# Allegro board BeagleBone_Green_Wireless_V1.0.brd (continued)
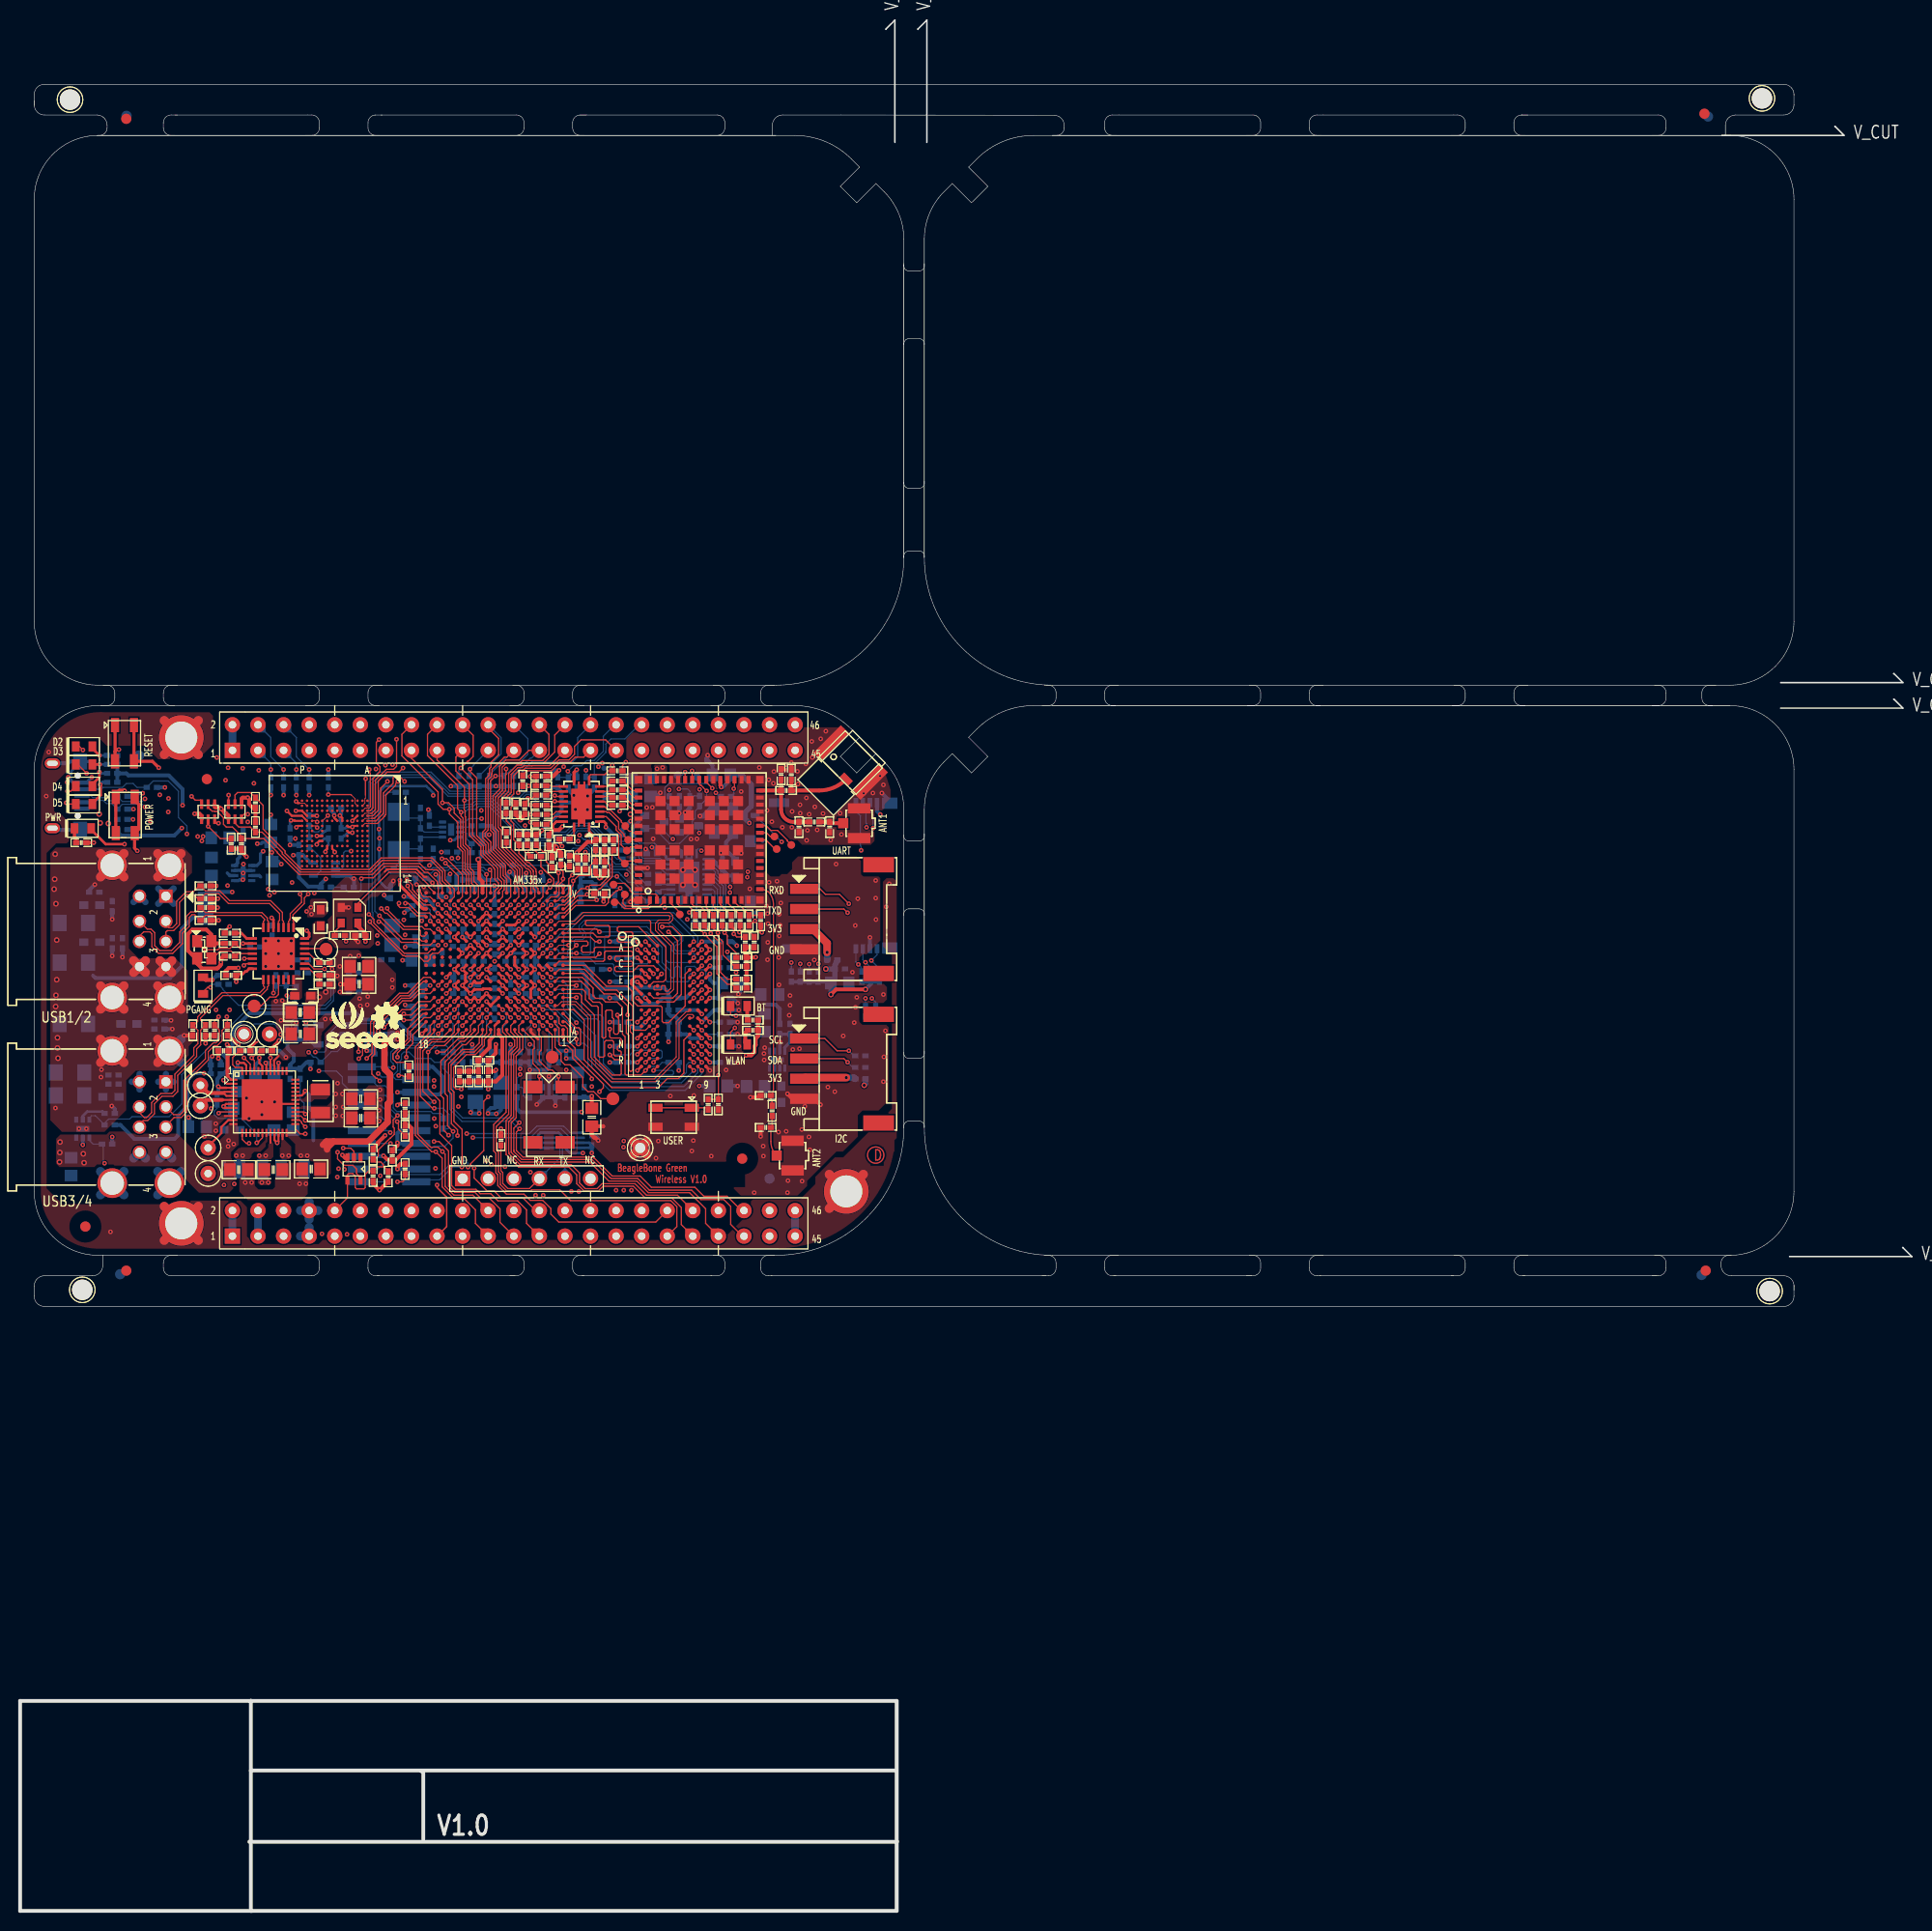
[diagram p0: board, top side]
## Routing (per net, layer and track width the routed paths; a pad name or vN(x,y) marks a point on that pad's centre or on a via; arc(x,y) is an arc through that point) (continued)
UART1_TXD: length 25
  TOP w0.121: v1(42.32,89.54) U5.D15
  LYR4 w0.121: v1(42.32,89.54) 42.72,89.14 42.72,88.49
  LYR4 w0.133: 42.72,88.49 42.73,88.48 42.73,86.53 43.14,86.13 43.14,84.55 43.41,84.28 43.41,80.59 44.02,79.98 44.02,79.13 44.46,78.68 44.86,78.68 46.1,77.45 46.1,76.67 46.07,76.64 46.07,76.36 45.64,75.93 45.64,73.63 45.19,73.18 45.19,72.16 46.82,70.53 47.11,70.53 48.07,69.57 P9.24
UART2_RXD: length 94.4
  TOP w0.121: U5.A17 41.12,87.32 39.49,85.69 39.49,77.15 40.77,75.87 41.5,75.87 v1(41.94,75.44) 42.2,75.17 42.2,71.98 43.09,71.09 44.96,71.09 P9.22 ; J5.1 79.44,101.53 79.97,100.99 81.36,100.99 v1(82.3,100.05)
  LYR3 w0.133: v1(82.3,100.05) 82.68,100.05 85.47,97.26 85.47,91.92 84.58,91.03 v1(84.58,90.65) 84.73,90.5 84.73,85.55 83.29,84.1 83.29,81.86 80.06,78.64 77.2,78.64 77.19,78.63 70.83,78.63 69.8,77.6 57.19,77.6 55.06,75.47 49.73,75.47 49.73,75.48 47.75,75.48 47.06,76.16 42.92,76.16 42.88,76.12 42.62,76.12 v1(41.94,75.44)
  BOTTOM w0.121: C204.1 84.96,90.27 v1(84.58,90.65)
UART2_TXD: length 96.4
  TOP w0.121: v1(82.17,99.16) 81.8,99.53 J5.2 ; P9.21 45.21,68.3 45.21,69.64 44.14,70.71 43.12,70.71 41.91,71.92 41.91,74.78 v1(41.27,75.41) 40.87,75.41 39.24,77.04 39.24,85.83 40.72,87.3 40.72,87.94 U5.B17
  LYR3 w0.133: v1(41.27,75.41) 42.24,76.38 42.81,76.38 42.83,76.4 47.16,76.4 47.85,75.71 49.83,75.71 49.83,75.71 54.97,75.71 57.09,77.83 69.7,77.83 70.76,78.89 79.93,78.89 82.98,81.94 82.98,84.25 84.32,85.59 84.32,90.28 v1(83.95,90.65) 83.95,90.78 85.22,92.05 85.22,97.13 83.44,98.91 82.42,98.91 v1(82.17,99.16)
  BOTTOM w0.121: v1(83.95,90.65) C205.1
UART3_CTSN: length 32.1
  TOP w0.121: R200.1 R210.1 51.21,112.7 v1(50.65,112.7) ; U5.M17 40.72,95.94 39.67,95.94 39.4,96.22 37.85,96.22 35.79,98.27 v1(35.61,98.27)
  LYR4 w0.121: 45.45,107.88 45.76,107.88 46.22,108.34 46.22,108.65 50.27,112.7 v1(50.65,112.7)
  LYR4 w0.133: 45.45,107.88 42.88,107.88 38.26,103.25 37.09,103.25 37.09,103.25 37.01,103.25 34.9,101.14 34.9,99.3 35.04,99.16 35.04,98.93 35.34,98.63 35.34,98.54 v1(35.61,98.27)
UART3_RTSN: length 37.4
  TOP w0.121: R209.1 50.11,110 50.42,110.31 v1(50.42,110.52) 50.85,110.52 51.17,110.85 R199.1 ; U5.M18 39.88,96.34 39.67,96.55 38,96.55 v1(35.69,98.86)
  BOTTOM w0.121: v1(35.69,98.86) 35.23,99.31 35.23,111.94 35.9,112.6 40.62,112.6 42.49,110.73 48.14,110.73 48.79,110.08 50.27,110.08 50.42,110.23 v1(50.42,110.52)
UART3_RXD: length 43
  TOP w0.121: U5.L17 40.88,95.54 40.48,95.14 38.14,95.14 35.73,97.55 35.72,97.55 35.13,98.14 35.13,98.5 v1(34.63,99) ; U21.14 53.2,110.71 53.1,110.81 v1(53.09,110.81)
  BOTTOM w0.121: v1(34.63,99) 34.63,112.15 35.61,113.13 40.79,113.13 42.69,111.23 48.41,111.23 49,110.64 49.62,110.64 50.15,111.17 50.69,111.17 51.26,110.59 52.25,110.59 52.46,110.81 v1(53.09,110.81)
UART3_TXD: length 44.4
  TOP w0.121: U21.15 53.29,110.21 53.26,110.24 v1(53.09,110.24) ; v1(34.73,98.28) 34.73,98.19 35.62,97.3 35.62,97.3 38.03,94.89 38.18,94.89 38.23,94.84 39.6,94.84 40.1,94.34 40.48,94.34 40.72,94.58 40.72,94.9 40.95,95.13 41.51,95.13 U5.L16
  BOTTOM w0.121: v1(53.09,110.24) 51.27,110.24 50.58,110.92 50.25,110.92 49.66,110.33 48.95,110.33 48.3,110.98 42.59,110.98 40.72,112.85 35.74,112.85 34.95,112.06 34.95,99.24 35.03,99.16 35.03,98.58 v1(34.73,98.28)
UART4_RXD: length 42.1
  TOP w0.121: U5.T17 40.72,99.94 40.1,99.94 38.91,101.12 38.91,101.17 38.61,101.47 38.61,101.7 v1(38.48,101.83)
  LYR4 w0.133: v1(38.48,101.83) 38.75,101.56 38.75,100.04 38.66,99.95 38.66,99.93 38.42,99.7 38.41,99.7 38.38,99.67 38.05,99.67 37.67,99.29 37.67,94.72 36.22,93.27 36.22,88.8 35.48,88.06 35.48,87.48 36.02,86.94 36.02,83.63 36.2,83.45 36.2,83.34 36.37,83.17 36.37,83.16 36.47,83.06 36.47,78.66 34.29,76.48 34.29,70.41 34.74,69.97 34.74,69.17 34.49,68.93 34.49,67.74 P9.11
UART4_TXD: length 39.8
  TOP w0.121: v1(39.6,101.35) 39.86,101.09 39.86,100.96 40.08,100.74 40.71,100.74 U5.U17
  LYR4 w0.127: 36.84,83.41 36.66,83.58 36.66,83.64 36.59,83.71 36.59,87.57 36.73,87.71 36.73,88.95
  LYR4 w0.133: 36.73,88.95 36.73,90.88 37.44,91.59 37.44,92.56 39.02,94.14 39.02,97.6 38.77,97.86 38.77,98.91 39.18,99.32 39.18,99.81 39.22,99.85 39.22,99.9 39.6,100.28 v1(39.6,101.35) ; 36.84,83.41 37.01,83.24 37.01,78.41 36.47,77.88 36.47,77.84 35.84,77.21 35.84,76.6 36.49,75.95 36.49,73.12 35.1,71.72 35.1,69.11 35.53,68.67 35.53,67.82 P9.13
USB0_DM: length 42.4
  TOP w0.114: U5.N18 40.32,96.98 40.16,96.82 39.88,96.82 39.75,96.95 39.75,97.38 39.62,97.51 38.03,97.51 36.42,99.11 36.25,99.11 36.05,99.31 36.05,99.48 35.97,99.57 v1(35.86,99.57)
  LYR3 w0.127: v1(35.86,99.57) 36.04,99.75 36.04,100 35.56,100.48 29.92,100.48 29.62,100.18 27.46,100.18 22.88,104.75 22.88,104.89 22.65,105.13 17.23,105.13 13.54,108.81 13.54,109.65 13.27,109.92 12.65,109.92 v1(12.4,109.67)
  BOTTOM w0.114: P4.2 7.04,110.13 7.22,110.32 8.26,110.32 8.57,110.01 9.09,110.01 9.65,109.45 10.13,109.93 12.13,109.93 v1(12.4,109.67)
USB0_DP: length 42.4
  TOP w0.114: v1(36.45,99.59) 36.45,99.48 38.15,97.78 39.91,97.78 40.16,97.53 40.72,97.53 U5.N17
  LYR3 w0.127: v1(12.4,110.47) 12.65,110.22 13.4,110.22 13.84,109.78 13.84,108.94 17.35,105.43 22.77,105.43 23.19,105.02 23.19,104.88 27.58,100.48 29.49,100.48 29.79,100.79 35.69,100.79 36.35,100.13 36.35,99.7 v1(36.45,99.59)
  BOTTOM w0.114: P4.3 7.04,110.78 7.22,110.6 8.38,110.6 8.69,110.29 9.22,110.29 9.65,110.72 10.16,110.21 12.13,110.21 v1(12.4,110.47)
USB0_ID: length 46.2
  TOP w0.121: U5.P16 v1(41.52,98.34)
  LYR3 w0.133: v1(41.52,98.34) 41.89,98.71 41.89,100.15 40.82,101.22 40.82,101.63 39.22,103.23 35.79,103.23 35.56,103.46 25.37,103.46 23.97,104.86 23.96,104.86 23.73,105.1 23.73,105.1 22.99,105.84 17.7,105.84 17.16,106.38 17.15,106.38 16.92,106.62 16.92,106.63 v1(16.56,106.98)
  BOTTOM w0.121: v1(16.56,106.98) 16.56,107.78 15.72,108.62 15.72,111.23 14.71,112.24 13.21,112.24 D23.2 11.61,111.61 11.23,111.99 10.54,111.99 10.16,111.61 8.24,111.61 8.06,111.43 P4.4
USB1_DM: length 19.6
  TOP w0.114: U23.1 27.15,98.3 27.1,98.35 27.1,98.96 28.22,100.08 28.22,100.63 v1(28.61,101.02) ; U5.R18 40.2,98.86 39.38,98.86 38.57,99.67 37.73,99.67 37.54,99.86 37.54,100.02 v1(37.62,100.1)
  LYR3 w0.127: v1(28.61,101.02) 28.51,101.12 28.3,101.12 28.13,101.28 28.13,101.61 28.27,101.75 28.57,101.75 28.57,101.75 36.53,101.75 37.36,100.91 37.36,100.56 37.08,100.28 37.08,100.08 37.19,99.97 37.49,99.97 v1(37.62,100.1)
USB1_DP: length 19.7
  TOP w0.114: U23.2 26.65,98.3 26.76,98.41 26.76,98.52 26.82,98.58 26.82,99.07 27.94,100.19 27.94,100.74 27.8,100.88 v1(27.8,101.02) ; v1(38.25,100.1) 38.53,100.1 39.5,99.14 40.64,99.14 41.04,98.74 U5.R17
  LYR3 w0.127: v1(27.8,101.02) 27.8,101.72 28.14,102.06 28.7,102.06 36.65,102.06 37.67,101.04 37.67,100.63 37.92,100.38 38.07,100.23 38.13,100.23 v1(38.25,100.1)
USB1_DRVVBUS: length 59.3
  TOP w0.121: U5.F15 v1(42.32,91.14)
  LYR3 w0.127: v1(41.25,73.76) 40.86,73.76 40.67,73.95
  LYR3 w0.133: v1(8.38,74.27) 8.77,74.27 8.78,74.26 11.46,74.26 11.52,74.27 11.57,74.29 11.61,74.32 12.1,74.32 12.11,74.31 12.16,74.28 12.22,74.27 12.26,74.26 13.37,74.26 13.39,74.28 14.05,74.28 14.1,74.29 14.16,74.31 14.17,74.32 14.78,74.32 14.83,74.3 14.88,74.28 14.92,74.28 15.93,74.28 15.97,74.32 23.49,74.32 23.68,74.14 32.74,74.14 32.92,74.32 35.54,74.32 35.72,74.14 36.45,74.14 36.45,74.14 40.49,74.14 40.67,73.95
  LYR4 w0.121: 40.33,89.77 41.69,91.14 v1(42.32,91.14)
  LYR4 w0.127: v1(41.25,73.76) 41.83,73.76
  LYR4 w0.133: 40.33,89.77 40.33,86.44 40.11,86.22 40.11,84.28 41.53,82.85 41.53,79.5 43.97,77.06 43.97,75.9 41.83,73.76
  BOTTOM w0.121: v1(8.38,74.27) 8.25,74.4 8.25,75.92 8.13,76.05 R221.2 7.24,76.17 6.87,76.54 U24.4
USB1_ID: length 2.6
  TOP w0.121: U5.P17 40.77,98.29 v1(40.72,98.34)
  BOTTOM w0.121: v1(40.72,98.34) 40.72,99.42 40.26,99.87 R49.2
USB1_OCN: length 50.9
  TOP w0.121: v1(41.48,99.98) 41.5,99.96 41.5,99.95 U5.T16 ; v1(30.99,93.57) 30.73,93.83 R224.2
  LYR3 w0.133: v1(30.99,93.57) 30.99,95.86 32.69,97.56 35.79,97.56 37.85,99.62 38.68,99.62 39.05,99.98 v1(41.48,99.98)
  BOTTOM w0.121: v1(30.99,93.57) 30.99,92.81 31.11,92.68 31.11,90.42 30.3,89.61 22.58,89.61 16.05,83.08 16.05,80.16 14.78,78.89 11.1,78.89 10.87,78.66 8.79,78.66 8.38,78.26 R223.1 7.47,78.99 7.09,78.99 6.87,78.78 U24.3
USB1_VBUS: length 25.3
  TOP w0.305: v1(37.71,102.4) 37.71,102.33 37.71,102.32 37.71,101.89 38.57,101.03 38.57,100.98 39.96,99.6 40,99.6 40.06,99.54 U5.T18
  LYR3 w0.381: v1(37.71,102.4) 37.59,102.52 37.59,102.53 37.28,102.84 37.27,102.84 37.24,102.87 35.56,102.87 35.33,103.1 27.94,103.1 v1(27,102.16)
  LYR4 w0.381: v1(27,102.16) 24.26,102.16 22.76,100.66 21.44,100.66 21.06,101.04 v1(21.06,101.22)
  BOTTOM w0.381: FB8.1 18.58,100.54 19.25,101.22 v1(21.06,101.22)
USB_DC: length 35.5
  LYR3 w0.381: v1(16.05,107.57) 17.63,107.57 17.93,107.26 18.4,107.26 18.45,107.21 23.73,107.21 27.03,103.91 35.79,103.91 36.07,103.63 39.42,103.63 40.08,102.97 v1(41.27,102.97)
  BOTTOM w0.381: 9.65,107.42 9.65,107.21 10.03,106.83 15.32,106.83 v1(16.05,107.57) ; R159.1 41.61,102.67 41.3,102.97 v1(41.27,102.97)
  vias: v1(20.7,76.53) v1(20.65,75.95) v1(21.21,76.17) v2(3.94,75.34) v2(3.91,74.4) v2(3.96,76.38) v2(6.27,75.21) v2(6.35,74.32) v2(7.85,108.97) v2(7.95,108.08) v2(8.76,108.03)
USR0: length 26.4
  TOP w0.121: U5.V15 42.72,101.53 41.93,102.32 41.93,103.23 40.81,104.35 35.95,104.35 34.85,103.25 34.84,103.25 34.8,103.21 27.83,103.21 26.04,105 26.04,105.16 24.03,107.16 R76.1 22.86,107.67 21.72,107.67 21.34,108.05 Q1.2
USR1: length 31.1
  TOP w0.121: Q1.5 21.34,110.85 21.59,111.1 22.86,111.1 R77.1 24.13,109.83 24.13,107.47 26.31,105.28 26.31,105.08 27.94,103.45 34.7,103.45 35.51,104.27 35.51,104.27 35.84,104.6 40.7,104.6 40.91,104.6 42.19,103.32 42.19,102.44 43.11,101.51 43.11,100.73 U5.U15
USR2: length 32.9
  TOP w0.121: R78.1 19.88,106.53 v1(18.67,107.74) Q2.2 ; v1(42.3,99.94) 42.31,99.94 U5.T15
  LYR3 w0.133: v1(42.3,99.94) 42.3,100.1 41.81,100.6 41.81,103.05 41.43,103.43 40.26,103.43 39.37,104.32 32.99,104.32 30.12,107.19 29.64,107.19 29.61,107.21 29.32,107.21 29.08,107.45 29.08,107.51 28.95,107.65 27.97,107.65 27.84,107.78 27.84,107.81 27.6,108.05 27.26,108.05 27.03,107.81 27.03,107.78 26.89,107.65 19.06,107.65 18.96,107.74 v1(18.67,107.74)
USR3: length 29.6
  TOP w0.121: Q2.5 18.67,109.62 18.91,109.38 18.94,109.38 19.07,109.25 19.3,109.25 19.33,109.22 19.55,109.22 20.19,108.59 20.19,107.95 20.47,107.67 21.08,107.67 21.97,106.78 R79.1 24.19,106.53 25.55,105.16 25.55,105.11 27.7,102.96 34.99,102.96 36.07,104.04 39.7,104.04 40.31,103.43 41.38,103.43 41.68,103.12 41.68,102.16 41.92,101.93 U5.V16
VDCDC1:
  vias: v1(21.46,75.03) v1(22.1,75.03)
VIO: length 20.9
  TOP w0.121: U16.5 33.8,72.86 33.4,73.26 ; v1(23.49,76.3) 23.56,76.3 24.06,76.8 U2.18 ; v1(31.52,75.37) 31.52,74.7 32.12,74.1
  TOP w0.127: 33.4,73.26 33.4,73.71 33.05,74.06 32.16,74.06 32.12,74.1
  LYR3 w0.133: v1(31.52,75.37) 31.14,75.37 31.01,75.49 25.2,75.49 24.38,76.3 v1(23.49,76.3)
  BOTTOM w0.121: v1(23.49,76.3) 23.49,77.19 21.97,78.71 19.66,78.71 19.28,79.1 19.28,79.45 19.56,79.73 R7.2
VLDO1: length 6.7
  TOP w0.203: 20.45,81.77 U2.3
  TOP w0.254: v1(19.68,81.89) 19.81,81.77 20.45,81.77
  BOTTOM w0.381: R7.1 19.68,81.25 v1(19.68,81.89) 19.57,82 19.57,82.63 19.72,82.78 19.72,82.8 19.94,83.02 R5.1 20.19,83.16 20.57,83.54 20.57,84.66 20.19,85.04 R8.1
VREFP_ADC: length 7.7
  TOP w0.121: 47.12,87.94 47.12,86.97 46.99,86.84
  TOP w0.254: 47.12,87.94 U5.B9
  TOP w0.305: 46.69,86.54 46.99,86.84
  TOP w0.381: C32.1 C31.1 C33.1 45.5,83.45 R27.2 45.5,84.66 46.61,85.77 46.61,86.46 46.69,86.54
VRTC: length 37.6
  TOP w0.254: v1(49.52,89.54) U5.D7
  LYR3 w0.381: v1(48.7,86.08) 48.7,86.02 47.48,84.79 39.77,84.79 38.99,85.57 38.84,85.57 38.83,85.58 36.57,85.58 35.2,86.94 28.8,86.94 27.71,85.85 22.38,85.85 22.06,85.54 19.73,85.54 v1(19.08,84.89)
  BOTTOM w0.178: R26.1 51.21,84.3 51.09,84.43 51.09,85.79 50.8,86.08 v1(50.61,86.08)
  BOTTOM w0.381: C105.1 v1(48.7,86.08) ; v1(19.08,84.89) 18.92,84.73 C16.1 R5.2
WAKEUP: length 63.9
  TOP w0.121: v1(22.73,76.25) 22.44,76.25 22.06,76.64 U2.13 ; U5.C5 v1(51.12,88.73)
  LYR3 w0.133: v1(22.73,76.25) 23.19,75.79 24.26,75.79 25.43,74.63 32.28,74.63 32.56,74.9 35.62,74.9 35.92,74.61 36.25,74.61 36.3,74.65 36.45,74.65 36.49,74.61 40.68,74.61 40.87,74.42 42.19,74.42 43.17,75.41 43.18,75.41 43.22,75.44 46.77,75.44 47.45,74.76 49.43,74.76 49.44,74.76 54.82,74.76 55.36,74.22 57.68,74.22 v1(59.94,76.48)
  LYR4 w0.133: v1(51.12,88.73) 50.67,88.29 50.67,87.67 52.01,86.33 54.86,86.33 56.13,85.06 56.39,85.06 59.82,81.64 59.82,76.61 v1(59.94,76.48)
  BOTTOM w0.121: v1(51.12,88.73) 51.52,88.33 51.52,87.67 51.56,87.62 R26.2
WL_EN: length 11.4
  TOP w0.121: U18.40 68.14,112.13 v1(68.73,111.53)
  BOTTOM w0.121: v1(68.73,111.53) 68.28,111.99 64.41,111.99 64.02,111.6 64.02,110.16 64.47,109.72 R187.1 64.47,108.72 64.58,108.61 64.58,107.94 65.37,107.15 Q4.1 65.57,107.15
WL_IRQ: length 8.6
  TOP w0.121: v1(72.97,98.35) 72.85,98.35 R176.1
  LYR3 w0.133: v1(70.51,101.73) 72.97,99.26 v1(72.97,98.35)
  BOTTOM w0.121: v1(70.51,101.73) 70.51,101.9 69.93,102.49 69.85,102.49 69.29,103.05 69.29,103.3 68.63,103.97 U22.3
WL_SDIO_CLK: length 12.3
  TOP w0.121: R182.1 67.95,97.84 68.58,97.21 v1(68.58,97.1) 69.55,96.14 69.55,93.24 70.23,92.56 R195.2
  BOTTOM w0.121: U22.8 68.79,101.47 68.98,101.28 68.98,97.5 v1(68.58,97.1)
WL_SDIO_CMD: length 12.9
  TOP w0.121: R181.1 67.66,97.29 67.74,97.29 v1(68,97.03) 68.25,96.77 68.25,96.72 69.19,95.78 69.19,93.09 70.23,92.06 70.67,92.06 71.06,91.67 R196.2
  BOTTOM w0.121: v1(68,97.03) 68,97.46 68.73,98.2 68.73,100.77 68.54,100.97 U22.9
WL_SDIO_D0: length 10.7
  TOP w0.121: R180.1 68.83,97.61 v1(69.29,97.16) 69.29,96.77 69.8,96.27 69.8,94.97 70.94,93.83 R194.2
  BOTTOM w0.121: v1(69.29,97.16) 69.29,97.56 69.24,97.61 69.24,101.5 68.77,101.97 U22.7
WL_SDIO_D1: length 10.1
  TOP w0.121: R193.2 71.12,95.16 70.22,96.06 70.22,96.91 v1(69.95,97.18) 69.72,97.41 R179.1
  BOTTOM w0.121: U22.6 68.75,102.47 69.53,101.69 69.53,98.06 69.95,97.64 v1(69.95,97.18)
WL_SDIO_D2: length 9.5
  TOP w0.121: R178.1 70.87,97.64 v1(70.87,97.05) 71.17,96.75 72.01,96.75
  BOTTOM w0.121: v1(70.87,97.05) 70.87,97.43 69.82,98.47 69.82,101.8 68.66,102.97 U22.5
WL_SDIO_D3: length 10.3
  TOP w0.121: 71.5,97.31 R177.1 ; 71.5,97.31 71.58,97.38 71.91,97.38 71.96,97.33 72.38,97.33 72.9,96.81 72.9,96.75 ; 71.5,97.31 v1(71.42,97.23)
  BOTTOM w0.121: v1(71.42,97.23) 71.42,97.97 70.07,99.32 70.07,101.91 70,101.98 70,101.98 69.04,102.95 69.04,103.2 68.77,103.47 U22.4
WP: length 9.2
  BOTTOM w0.121: TP4.1 23.24,88.11 25.25,88.11 25.82,87.54 R156.2 26.82,87.54 26.95,87.67 26.95,88.39 27.2,88.64 28.83,88.64 29.48,87.99 U7.5
XDMA_EVENT_INTR0: length 10.7
  BOTTOM w0.121: R18.2 42.04,78.97 41.78,79.22 40.97,79.22 40.78,79.41 37.4,79.41 37.06,79.76 37.06,81.15 36.25,81.97 35.46,81.97 34.84,82.59 P2.17
XTAL1: length 6.4
  TOP w0.121: Y5.1 17.59,96.18 18.29,95.48 19.63,95.48 19.76,95.61 20.83,95.61 C183.1 21.85,95.6 U23.10
XTAL2: length 4.8
  TOP w0.121: Y5.3 19.14,94.63 19.86,95.35 20.95,95.35 21.34,94.97 C184.1 21.59,95.1 U23.11
ZQ: length 2.5
  TOP w0.121: v1(67.7,87.49) U12.L8
  BOTTOM w0.121: R99.1 68.99,87.08 68.98,87.09 68.1,87.09 v1(67.7,87.49)
N21769115: length 5.3
  TOP w0.121: R75.2 68.15,79.78 S2.1 S2.3
N22155575: length 4
  TOP w0.121: v1(42.32,98.34) U5.P15
  LYR3 w0.133: v1(42.32,100.71) 42.32,100.66 42.71,100.27 42.71,98.73 v1(42.32,98.34)
  BOTTOM w0.381: R159.2 41.87,100.81 41.95,100.73 v1(42.32,100.71)
N22248684: length 1.5
  TOP w0.121: 31.24,96.9 31.24,97.28 31.89,97.93 Y4.3
N22287501: length 3.8
  BOTTOM w0.121: U3.4 29.38,102.83 29.85,103.3 29.85,104.62 28.83,105.64 R162.1
N22287555: length 18.5
  TOP w0.121: v1(43.12,99.14) U5.R14
  LYR3 w0.121: 43.52,100.48 43.52,99.54 v1(43.12,99.14)
  LYR3 w0.133: v1(32.87,105.28) 33.55,104.6 40.64,104.6 42.06,103.17 42.06,102.07 42.07,102.06 42.07,101.92 43.52,100.48
  BOTTOM w0.121: v1(32.87,105.28) 32.28,105.28 32.13,105.13 32.13,103.73 31.88,103.48 U3.2
N22420400: length 4.7
  TOP w0.203: U2.5 20.48,80.97 20.19,81.25 20.3,81.37 U2.4
  TOP w0.381: TP5.1 18.67,81.25 20.19,81.25
N22420444: length 3.5
  TOP w0.203: 20.06,80.57 U2.6
  TOP w0.381: 20.06,80.57 18.49,80.57 TP6.1
N22420447: length 4.1
  TOP w0.203: U2.11 20.68,78.57 19.99,77.88 19.99,77.27 18.67,75.95 TP7.1
N22488252: length 17.9
  TOP w0.121: v1(36.14,87.76) 37.92,89.53 38.75,89.53 39.56,90.34 40.72,90.34 U5.E17
  LYR3 w0.133: v1(36.14,87.76) 35.92,87.53 25.2,87.53 TP9.1
N22648410: length 7.5
  BOTTOM w0.121: U17.1 39.89,106.67 R17.1 C25.1 37.71,105.51 Y2.2 37.59,104.09 R234.2
N22648422: length 8
  BOTTOM w0.121: U17.2 40.13,107.17 R17.2 C26.1 38.22,108.56 Y2.1 38.3,109.9 R235.2
N22649826: length 1.4
  BOTTOM w0.121: U17.3 40.77,107.67 R171.2
N22650321: length 2.1
  BOTTOM w0.121: R172.2 R174.1 44.7,107.67 U17.6
N22650344: length 2.8
  BOTTOM w0.121: U17.7 44.19,107.17 44.32,107.04 44.32,106.53 R175.2 R173.1
N22699644: length 3.4
  TOP w0.121: R233.2 R176.2 72.39,98.97 71.56,99.8 71.37,99.8 70.94,100.23 U18.14
N22699649: length 2.1
  TOP w0.121: U18.13 70.24,100.17 70.71,99.7 70.77,99.7 71.5,98.97 R177.2
N22699658: length 2
  TOP w0.121: U18.12 69.54,99.98 70.16,99.36 70.23,99.36 70.61,98.97 R178.2
N22699663: length 1.9
  TOP w0.121: R179.2 69.72,98.97 69.34,99.36 69.27,99.36 68.84,99.79 U18.11
N22699668: length 1.8
  TOP w0.121: R180.2 68.83,98.97 68.14,99.67 U18.10
N22699673: length 2.8
  TOP w0.121: R181.2 67.06,99.16 66.42,99.8 65.53,99.8 65.34,99.99 U18.6
N22699720: length 2.4
  TOP w0.121: U18.8 66.74,99.99 66.93,99.8 67.56,99.8 67.95,99.41 R182.2
N22699759: length 2
  TOP w0.121: R183.2 59.88,112.24 60.82,111.3 U18.50
N22699762: length 1.9
  TOP w0.121: R184.2 60.2,111.35 60.95,110.6 U18.51
N22699765: length 1.9
  TOP w0.121: U18.52 60.76,109.9 60.07,110.59 R185.2
N22699768: length 1.9
  TOP w0.121: U18.53 61.18,109.2 60.81,109.58 60.58,109.58 60.32,109.83 R186.2
N22705626: length 3.1
  TOP w0.121: v1(70.87,111.48) 70.94,111.55 U18.36
  BOTTOM w0.121: OSC1.3 70.61,109.62 70.61,110.72 70.87,110.97 v1(70.87,111.48)
N22705631: length 5.4
  BOTTOM w0.381: OSC1.1 OSC1.4 70.78,106.84 70.1,106.17 C167.1 70.12,105.62 70.12,105.37 70.99,104.5 L4.1
N22709787: length 1.6
  TOP w0.121: U18.43 v1(66.04,113.13)
  BOTTOM w0.121: v1(66.04,113.13) 65.73,112.83 TP22.1
N22709790: length 1.7
  TOP w0.121: U18.42 66.74,113.25 v1(66.73,113.26)
  BOTTOM w0.121: v1(66.73,113.26) 66.73,113.19 66.92,113 66.92,112.94 TP23.1
N22711010: length 8.6
  TOP w0.381: 75.57,111.3 C200.1 L21.2 ; 75.57,111.3 75.57,109.42 arc(75.93,108.54) 76.81,108.18 C171.1 ; 75.57,111.3 U18.32
N22711020: length 2.4
  TOP w0.381: C171.2 80.39,108.18 80.52,108.05 J6.1
N22712983: length 22.4
  TOP w0.121: C172.1 74.68,80.31 arc(74.67,80.4) 74.64,80.48 arc(74.57,80.59) 74.55,80.71 L9.2 arc(74.74,81.28) 74.8,81.61 74.8,100.02 arc(74.67,100.68) 74.3,101.24 arc(73.9,101.43) U18.18
N22712987: length 4.1
  TOP w0.121: C172.2 74.68,77.95 L10.2 74.55,76.44 arc(74.7,75.68) J7.1
N22724780: length 31.6
  TOP w0.121: v1(58.8,113.82) R198.2 58.42,113.26 58.04,112.88 56.64,112.88 56.5,112.74 U21.10
  LYR3 w0.121: v1(67.46,111.42) 67.46,111.04 66.05,109.63
  LYR3 w0.133: v1(66.45,99.19) 66.45,99.48 63.53,102.4 63.53,108.51 64.64,109.63 66.05,109.63
  LYR4 w0.121: v1(67.46,111.42) 66.36,112.52 60.1,112.52 v1(58.8,113.82)
  BOTTOM w0.121: U22.10 67.17,99.17 67.31,99.03 67.31,99.01 67.16,98.86 66.78,98.86 v1(66.45,99.19)
N22729983: length 4.8
  BOTTOM w0.121: U22.17 64.15,103.47 63.3,104.31 61.73,104.31 61.44,104.6 61.44,104.9 60.96,105.38 R203.2
N22729986: length 4.4
  BOTTOM w0.121: U22.16 64.22,102.97 63.12,104.07 61.49,104.07 61.06,104.5 R204.2
N22729989: length 1.5
  BOTTOM w0.121: U22.15 63.88,102.47 R205.2
N22729992: length 1.3
  BOTTOM w0.121: U22.14 63.49,101.97 R206.2
N22729995: length 1.4
  BOTTOM w0.121: U22.13 63.65,101.47 R207.2
N22729998: length 1.5
  BOTTOM w0.121: U22.12 64.04,100.97 R208.2
N22732227: length 4
  TOP w0.121: U18.27 74.09,107.8 74.55,107.34 75.21,107.34 76.18,106.37 76.18,106.29 TP14.1
N22732237: length 1.6
  TOP w0.121: U18.26 74.12,107.1 74.49,106.73 TP15.1
N22732240: length 2.1
  TOP w0.121: TP16.1 74.96,105.49 74.04,106.4 U18.25
N22732294: length 4.2
  TOP w0.121: U18.2 62.54,100.08 62.28,99.82 60.12,99.82 59.87,100.08 59.87,100.43 60.05,100.61 TP17.1
N22732297: length 5.4
  TOP w0.121: TP18.1 59.05,101.96 59.18,102.08 60.05,102.08 60.55,101.57 60.55,101.37 60.9,101.02 62.83,101.02 62.84,101.02 63.09,101.02 63.24,100.87 U18.3
N22732316: length 5.6
  TOP w0.121: TP19.1 59.39,100.2 60.02,99.57 62.38,99.57 62.61,99.8 63.5,99.8 63.94,100.23 U18.4
N22732319: length 1.8
  TOP w0.121: TP20.1 65.51,99.19 64.64,100.06 U18.5
N22733307: length 2.9
  BOTTOM w0.305: U19.4 75.93,85.79 76.45,86.31 R215.1 R214.2
N22766342: length 1.9
  TOP w0.254: R218.1 21.97,97.13 22.5,96.6 U23.8
N22767849: length 2.2
  TOP w0.121: TP24.1 30.31,95.6 U23.26
N22767859: length 4.4
  TOP w0.121: TP25.1 23.9,89.89 24.79,90.78 25.4,90.78 25.65,91.03 U23.18
N22768480: length 1.8
  TOP w0.381: D6.2 18.43,92.48 v1(19.08,92.48)
  BOTTOM w0.381: R219.2 19.53,92.94 v1(19.08,92.48)
N22769591: length 4.3
  BOTTOM w0.629: J8.A1 15.24,100.05 ; J8.A1 13.71,100.05 ; J8.A1 15.24,101.57 ; J8.A1 13.71,101.57
N22769632: length 1.7
  BOTTOM w0.629: 11.26,100.22 J8.B1 12.44,100.22
N22770199: length 3.1
  BOTTOM w0.629: J9.A1 15.24,82.37 ; J9.A1 14.47,81.6 ; J9.A1 14.47,83.13 ; J9.A1 13.71,82.37
N22770224: length 2.3
  BOTTOM w0.629: 11.85,81.6 J9.B1 ; J9.B1 11.85,83.13 ; J9.B1 11.09,82.37
N22776606: length 2.8
  BOTTOM w0.254: R222.2 8.19,79.41 6.67,79.41 6.22,78.97 U24.2
N22780216: length 1.4
  TOP w0.381: D7.2 72.2,88.56 R229.2
N22783783: length 1.6
  TOP w0.381: D8.2 72.01,86.27 72.01,87.22 R230.2
N22784813: length 6.8
  TOP w0.381: L22.2 C200.2 79.35,111.3 arc(80.78,111.59) ANT.1
N22805505: length 24.6
  TOP w0.121: D7.1 70.55,89.09 70.72,88.93 v1(71.09,88.93)
  LYR3 w0.133: v1(71.09,88.93) 71.48,88.93 71.5,88.95 71.6,88.95 71.83,89.18 71.83,98.14 68.96,101.01 68.96,102.34 v1(64.82,106.48)
  BOTTOM w0.121: v1(64.82,106.48) 64.74,106.48 63.94,107.28 Q3.3
N22805508: length 25.1
  TOP w0.121: D8.1 70.55,87.29 v1(70.98,87.72)
  LYR3 w0.133: v1(70.98,87.72) 71.36,87.72 71.38,87.73 71.65,87.73 72.09,88.16 72.09,98.25 69.22,101.12 69.22,102.34 69.2,102.36 69.2,102.43 67.18,104.45 67.18,105.51 67.72,106.05 67.72,106.81 v1(67.44,107.09)
  BOTTOM w0.121: Q4.3 67.37,107.15 v1(67.44,107.09)
N22816281: length 5.2
  TOP w0.762: J4.3 77.96,82.78 v2(82.04,82.78)
  BOTTOM w0.635: v2(82.04,82.78) 82.8,82.78 R231.1
N22816655: length 4.5
  TOP w0.762: J5.3 78.74,97.53 80.14,96.13 v2(80.14,95.22)
  BOTTOM w0.635: R232.1 v2(80.14,95.22)
N22868112: length 2.8
  BOTTOM w0.33: R217.1 22.15,105.46 R216.2 21.82,104.71 21.59,104.48 21.59,104.11 21.32,103.85 U20.4
N22868125: length 0.8
  BOTTOM w0.33: U20.2 20.82,102.85 20.57,103.1
N22871921: length 1.7
  TOP w0.121: U21.12 52.83,111.71 52.75,111.79 R200.2
N22871924: length 1.9
  TOP w0.121: R199.2 52.35,110.85 52.71,111.21 U21.13
N22888492: length 1.7
  TOP w0.121: 52.88,109.71 U21.16
  TOP w0.127: 52.88,109.71 52.4,109.71 R236.2
N22888495: length 1.4
  TOP w0.121: U21.20 55,106.92 R239.2
N22888517: length 2
  TOP w0.121: U21.18 53.09,108.71 52.34,107.95 R238.2
N22888520: length 1.8
  TOP w0.121: R237.2 52.93,108.92 53.22,109.21 U21.17

## Copper pours and planes (outline as drawn; the poured copper is in the pictures)
DGND on TOP: 27.28,90.22 27.71,89.79 27.71,86.64 27.38,86.31 26.47,86.31 25.96,86.82 25.73,86.82 25.41,87.13 25.41,88.46 24.92,88.95 24.92,90.37 25.12,90.58 25.65,90.58 25.76,90.68 26.19,90.68 26.64,90.22
DGND on TOP: 25.45,74.32 28.5,74.32 28.6,74.22 28.6,72.06 28.56,72.02 28.56,71.23 27.94,70.61 22.61,70.61 21.77,71.45 21.77,74.07 22.05,74.35 23.16,74.35 23.32,74.19 23.32,72.01 23.65,71.68 25.07,71.68 25.3,71.91 25.3,74.17
DGND on TOP: 31.5,95.48 33.6,95.48 33.91,95.17 33.91,94.79 33.5,94.39 33.5,91.59 32.87,90.96 31.78,90.96 31.52,91.21 31.52,92.43 31.37,92.58 30.56,92.58 30.38,92.76 30.38,93.14 30.48,93.24 31.19,93.24 31.34,93.4 31.34,95.33
DGND on TOP: 37.31,101.96 36.63,101.27 36.02,101.27 35.48,100.74 34.87,100.74 34.4,100.27 34.4,99.3 34.24,99.14 34.24,98.45 35.15,97.54 35.15,96.06 34.72,95.63 31.29,95.63 30.51,96.42 30.51,98.45 30.99,98.93 30.99,101.42 32.31,102.74 33.32,102.74 33.63,102.44 33.63,102.24 33.76,102.11 34.92,102.11 36.27,103.45 39.24,103.45 39.88,102.82 40.74,102.82 41.27,102.29 41.27,101.42 40.89,101.04 40.18,101.04 39.93,101.3 39.93,101.8 38.99,102.74 37.54,102.74 37.31,102.51
DGND on TOP: 34.62,82.02 35.81,82.02 36.17,81.66 36.17,78.46 35.59,77.88 34.42,77.88 34.19,78.11 34.19,81.58
DGND on TOP: 69.8,74.35 61.95,74.35 61.93,74.37 58.57,74.37 56.69,76.25 56.69,76.84 56.9,77.04 57.38,77.04 57.61,77.27 57.61,78.69 57.73,78.82 58.27,78.82 60.25,80.8 60.25,81.1 60.53,81.38 64.01,81.38 64.77,82.14 65.91,82.14 66.68,82.91 67.82,82.91 68.02,83.11 68.05,83.11 68.1,83.16 68.1,83.64 67.97,83.77 67.97,84.02 68,84.05 68.28,84.05 68.38,83.95 69.09,83.95 69.39,84.25 69.39,87.12 69.32,87.2 69.32,90.91 69.72,91.31 71.86,91.31 72.06,91.11 72.57,91.11 72.97,91.52 72.97,94.62 73.56,95.2 73.56,98.91 72.92,99.54 60.66,99.54 60.2,100 60.2,116.43 60.83,117.07 77.34,117.07 77.85,117.58 81.76,117.58 85.32,114.02 85.85,113.21 86.44,111.38 86.44,110.54 85.85,109.96 85.85,109.58 85.6,109.32 84.96,109.32 84.84,109.19 84.84,106.27 84.46,105.89 78.51,105.89 78.5,105.91 77.66,105.91 77.19,106.38 76.48,106.38 75.29,107.57 74.75,107.57 74.35,107.98 74.24,107.98 74.02,107.75 74.02,107.42 74.04,107.39 74.04,103.23 74.5,102.77 75.39,102.77 75.62,103 76.17,103 76.66,103.48 76.66,104.17 77.24,104.75 83.06,104.75 83.52,104.29 83.52,102.97 83.72,102.77 85.24,102.77 85.42,102.59 85.42,96.39 84.05,95.02 83.67,95.02 83.34,94.69 83.34,92.33 83.59,92.08 85.78,92.08 86.08,91.77 86.08,90.55 85.73,90.2 83.49,90.2 83.34,90.04 83.34,88.32 83.62,88.04 86,88.04 86.26,87.78 86.26,80.52 85.24,79.5 83.64,79.5 83.19,79.04 83.19,76.91 81.7,75.43 81.06,75.43 78.16,72.52 78.16,72.01 77.22,71.07 71.55,71.07 70.33,72.29 70.33,73.81
DGND on TOP: 3.53,105.64 16.23,105.64 17.07,104.8 17.07,103.12 15.9,101.96 11.58,101.96 10.79,101.17 10.79,95.61 11.76,94.64 15.42,94.64 16.66,93.4 16.66,87.43 16.71,87.38 17.17,87.38 17.4,87.15 17.4,86.54 16.74,85.88 16.74,84.99 15.21,83.46 11.48,83.46 10.54,82.52 10.54,79.55 8.36,77.37 4.17,77.37 3,78.54 3,105.08 3.53,105.61
